# Altium PCB PCB.PcbDoc (part 4 of 10)
Units mil, origin at the board's own origin, x right, y up, seen from the top; angles counter-clockwise.
Board outline 4370.08 x 4921.26 mil, 6 copper layers (Component Side, Ground Plane I, Signal Layer 1, Power Plane, Ground Plane II, Solder Side), stack 57.638 mil thick; 274 components, 415 nets, 1726 pads, 902 vias.
Unrouted connection lines stored in the file: 2.
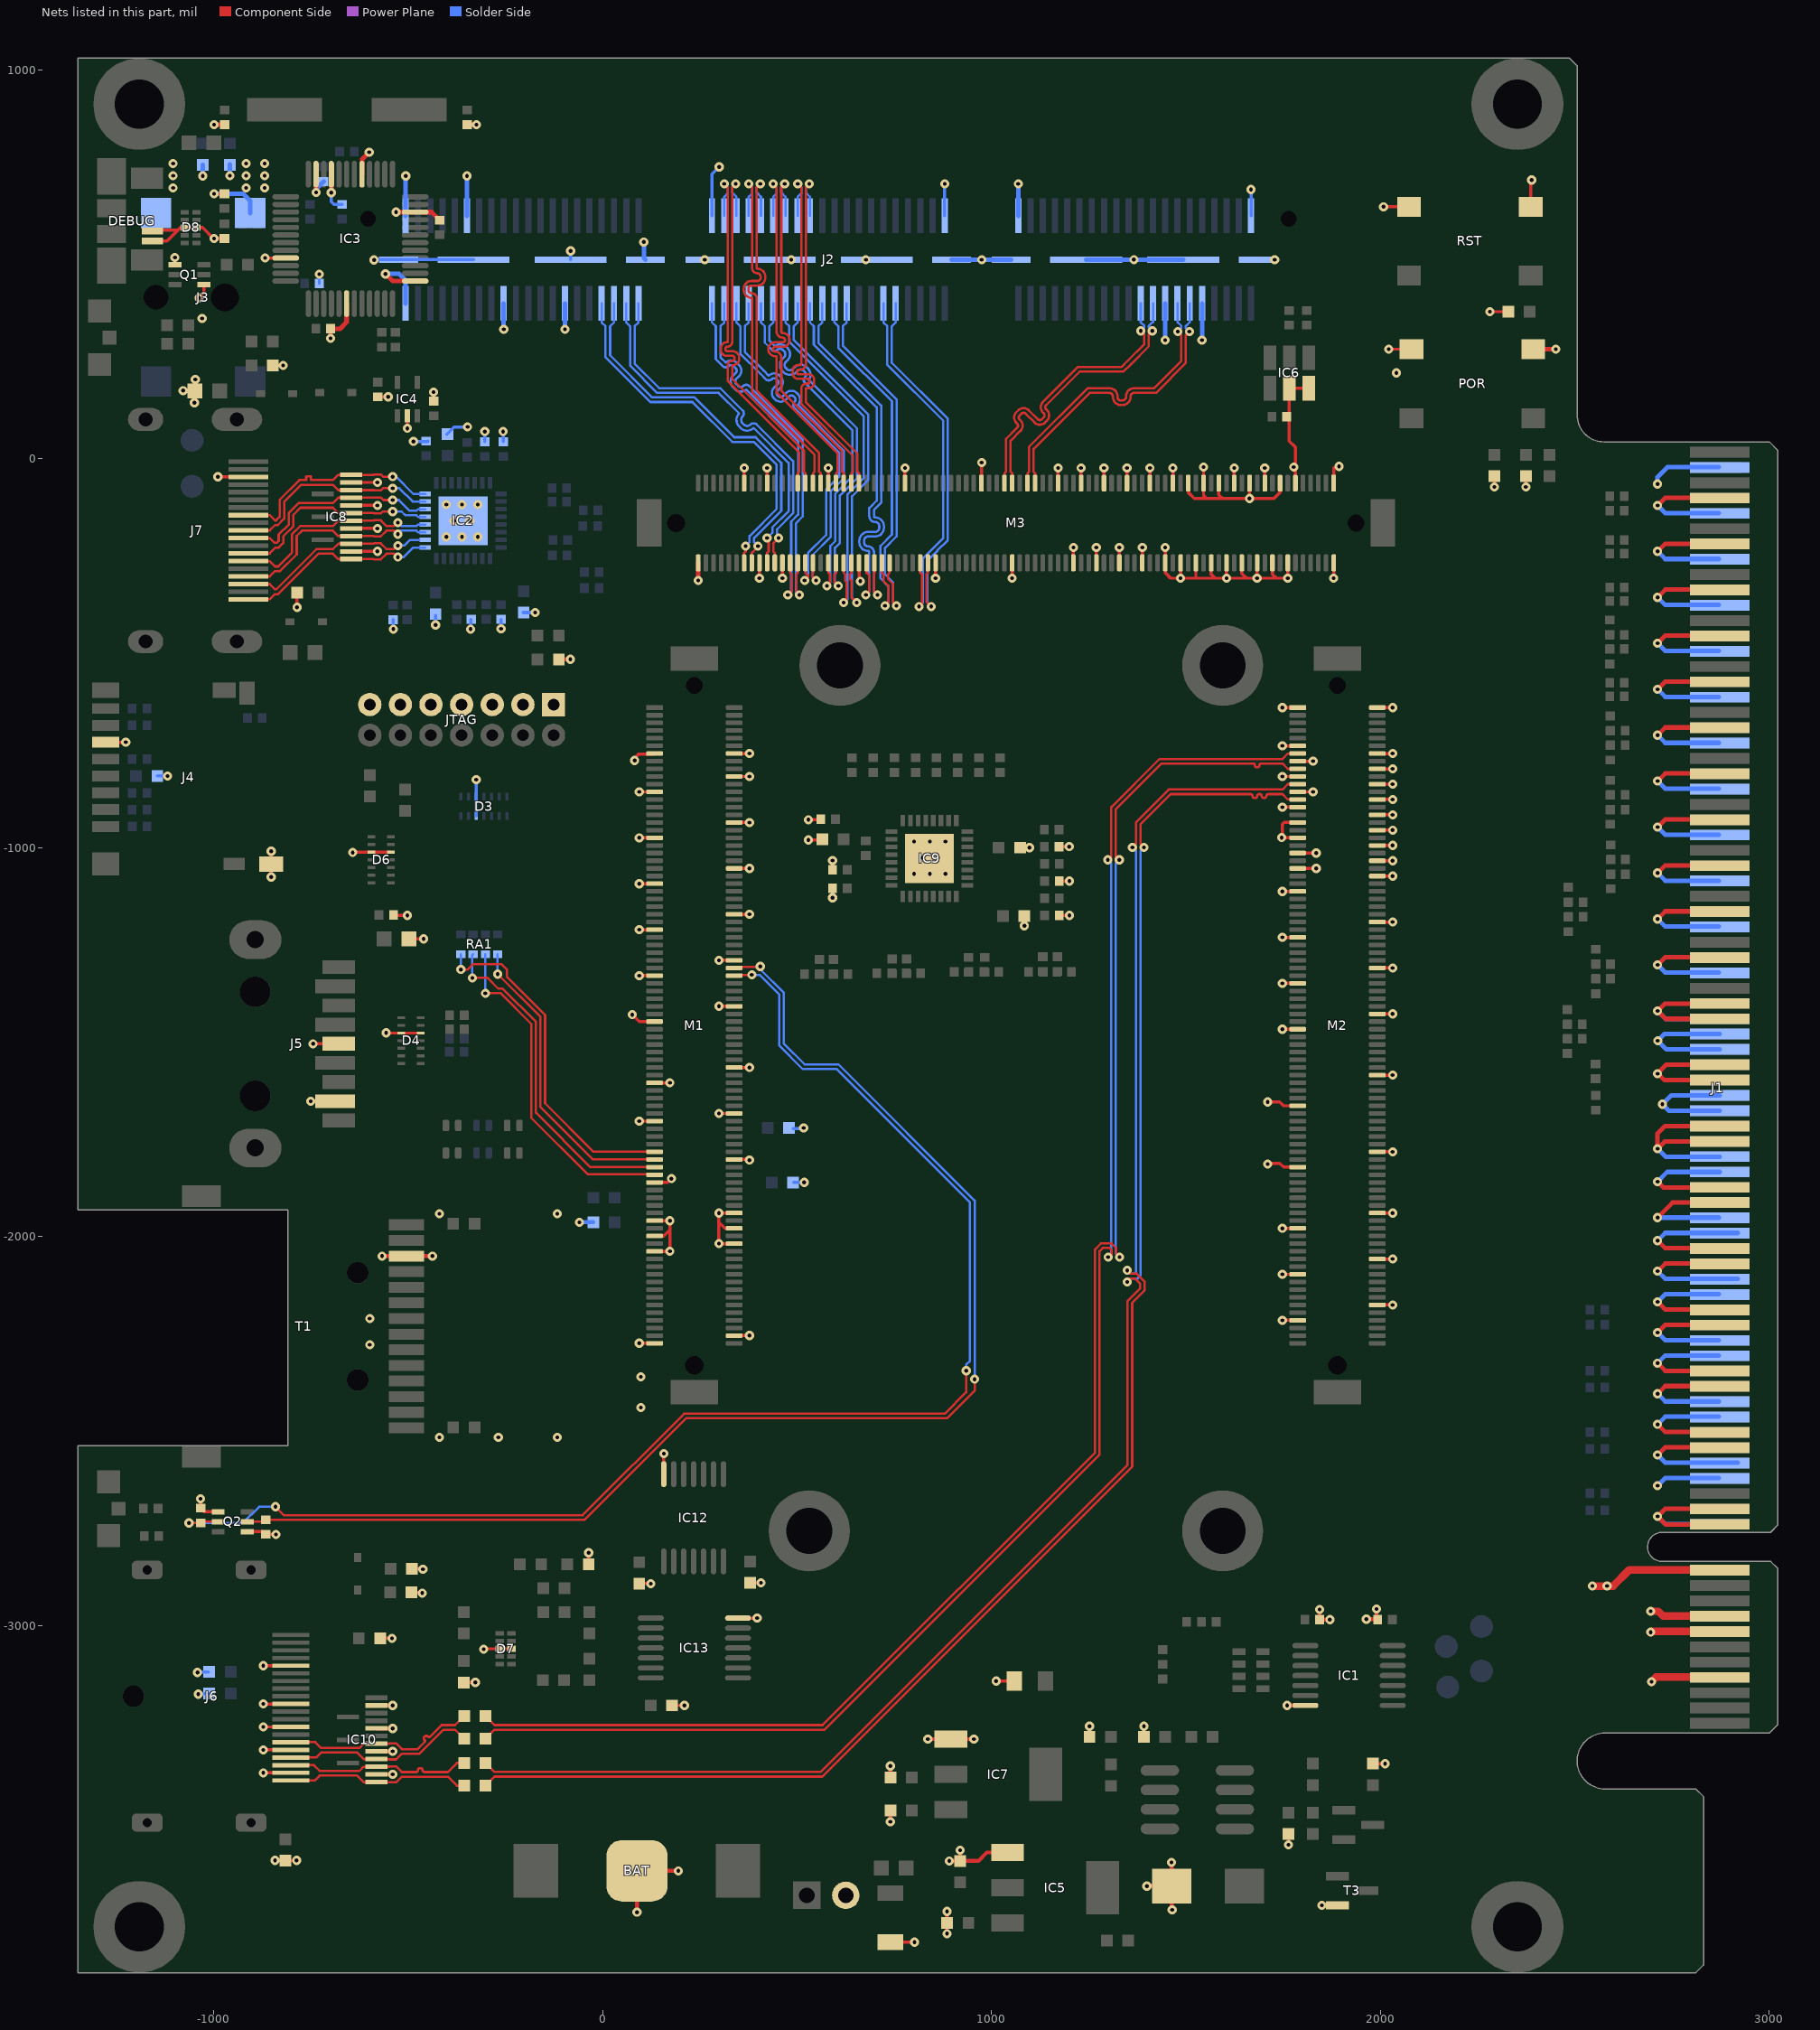
[diagram p8: the nets of this part, all layers, seen from the top]

## Via types
v1: diameter 23.62, hole 9.84, Component Side to Solder Side, 902 vias

## Nets (pads, with @x,y where several pads share a name; then routed paths per layer and width w, separated by ;. In a path a pad name is that pad's centre, name@x,y a point inside that pad or via, vN(x,y) a via of type N, cw(c..) or ccw(c..) an arc to the next point about the centre after c; other vN are vias at no path point) (continued)
GND: BAT.- C9.1 C10.1 C11.1 C14.1 C15.1 C18.1 C21.1 C22.1 C23.1 C24.1 C25.1 C26.1 C27.1 C28.1 C29.1 C30.2 C35.1 C41.2 C46.1 C49.1 C50.1 C52.1 C53.1 C54.1 C55.1 C56.1 C57.1 C74.1 C75.1 C76.2 C77.1 C78.1 C82.1 C83.1 C92.1 C97.1 D3.5 D3.10 D4.5 D4.10 D6.5 D6.10 D7.3 D7.8 D8.3 D8.8 DEBUG.4 DEBUG.5 FAN1.2 FAN.2 IC1.7 IC2.33 IC3.9 IC3.18 IC3.25 IC3.34 IC3.41 IC3.45 IC3.47 IC4.2 IC5.1 IC6.2 IC6.3 IC7.1 IC8.2 IC8.5 IC8.8 IC8.11 IC9.33 IC10.2 IC10.5 IC10.8 IC10.11 IC12.7 IC13.7 J1.A12 J1.A15 J1.A16 J1.A19 J1.A20 J1.A23 J1.A24 J1.A27 J1.A28 J1.A31 J1.A32 J1.A35 J1.A36 J1.A39 J1.A40 J1.A43 J1.A44 J1.A45 J1.A48 J1.A51 J1.A54 J1.A57 J1.A60 J1.A63 J1.A66 J1.A69 J1.A72 J1.A75 J1.A78 J1.A81 J1.B4 J1.B7 J1.B8 J1.B11 J1.B12 J1.B13 J1.B17 J1.B18 J1.B21 J1.B22 J1.B25 J1.B26 J1.B29 J1.B30 J1.B33 J1.B34 J1.B37 J1.B38 J1.B41 J1.B42 J1.B45 J1.B46 J1.B49 J1.B52 J1.B55 J1.B58 J1.B61 J1.B64 J1.B67 J1.B70 J1.B73 J1.B76 J1.B79 J2.2 J2.9 J2.15 J2.40 J2.42 J2.80 J2.93 J2.103 J2.110 J2.119 J2.120 J2.M1 J2.M2 J2.M3 J3.2 J3.3 J4.6 J4.10 J5.4 J5.7 J6.2 J6.5 J6.8 J6.11 J6.16 J7.17 JTAG.1 JTAG.3 JTAG.5 JTAG.7 JTAG.9 JTAG.11 JTAG.13 L6.2 L7.1 LED3.K LED5.K M1.13 M1.14 M1.20 M1.23 M1.32 M1.35 M1.44 M1.47 M1.56 M1.59 M1.68 M1.71 M1.80 M1.83 M1.96 M1.99 M1.108 M1.109 M1.120 M1.125 M1.134 M1.135 M1.138 M1.139 M1.142 M1.143 M1.166 M1.167 M2.1 M2.2 M2.11 M2.14 M2.15 M2.18 M2.19 M2.22 M2.23 M2.26 M2.27 M2.30 M2.31 M2.34 M2.35 M2.38 M2.39 M2.42 M2.43 M2.46 M2.49 M2.58 M2.61 M2.70 M2.73 M2.82 M2.85 M2.98 M2.105 M2.118 M2.121 M2.134 M2.137 M2.146 M2.149 M2.158 M2.161 M3.1 M3.2 M3.11 M3.14 M3.15 M3.18 M3.19 M3.22 M3.23 M3.26 M3.27 M3.30 M3.31 M3.34 M3.35 M3.38 M3.39 M3.42 M3.43 M3.46 M3.49 M3.52 M3.55 M3.58 M3.61 M3.64 M3.67 M3.70 M3.73 M3.86 M3.93 M3.106 M3.113 M3.126 M3.133 M3.146 M3.149 M3.152 M3.155 M3.168 POR.1 POR.2 PWR_USB.K Q1.1 Q1.4 Q2.1 Q2.4 R1.1 R4.2 R5.2 R12.1 R13.1 R18.2 R21.2 R22.2 R23.2 R25.1 R29.2 R30.1 R31.1 R32.1 R34.1 R39.1 R40.1 R55.2 R58.2 R62.1 R63.2 R64.2 R65.2 R66.1 R98.1 R99.1 R100.1 R104.1 R105.1 R106.1 RST.1 RST.2 T1.12 T3.2 | length 23959.3
  Component Side w5.91: C46.1@181.04,-3204.72 v1(210.63,-3204.72)
  Component Side w7.87: v1(-556.4,-1476) -556.09,-1476.31 D4.10@-517.01,-1476.31 D4.5@-467.8,-1476.31 ; C35.1@-537.1,-1173 -536.1,-1174 v1(-502,-1174) ; v1(1012,-3142) C52.1@1059,-3142
  Component Side w8: J4.6@-1277.41,-728.81 v1(-1225.73,-728.81) ; DEBUG.5@-1157.28,559.82 -1119.39,559.82 -1092.21,587 ; DEBUG.4@-1157.28,585.41 -1155.68,587 -1092.21,587 ; Q1.4@-1099.4,498.59 v1(-1099.4,517.31) ; v1(-1078.09,175.09) -1077,174 L7.1@-1048.09,174 ; v1(-1049.17,144) -1048.09,145.09 L7.1@-1048.09,174 ; v1(-1047,204) -1048.09,202.91 L7.1@-1048.09,174 ; v1(-1037.37,413.23) -1024.6,426 Q1.1@-1024.6,447.41 ; v1(-1033.46,-2673.23) R13.1@-1033.46,-2697.64 -1024.41,-2706.69 Q2.4@-988.19,-2706.69 ; v1(-998.9,680.9) C78.1@-972,680.9 ; v1(-989,-46.3) -910.45,-46.3 J7.17@-910.08,-46.67 ; C77.1@-972,566.1 v1(-998.9,566.1) -1000.08,566.1 -1027.98,594 D8.3@-1043.84,594 D8.8@-1074.16,594 -1085.21,594 -1092.21,587 ; Q2.1@-913.39,-2757.87 -873.23,-2757.87 R12.1@-866.14,-2764.96 v1(-839.76,-2764.96) ; v1(-872.05,-3200.79) J6.11@-803.15,-3200.79 ; v1@-870.08,-3377.95 J6.2@-801.18,-3377.95 ; v1@-870.08,-3318.9 J6.5@-801.18,-3318.9 ; v1@-870.08,-3259.84 J6.8@-801.18,-3259.84 ; v1@-870.08,-3102.36 J6.16@-801.18,-3102.36 ; v1(-867.79,515.79) IC3.9@-814.34,515.79 ; v1(-851.66,-1075.24) J4.10@-851.66,-1042.2 v1(-851.66,-1009.15) ; PWR_USB.K@-847.5,240 v1(-821,240) ; v1(-841.65,-3603.05) -841.12,-3602.52 R29.2@-813.23,-3602.52 ; R29.2@-814.96,-3603.58 -787.07,-3603.58 v1(-786.54,-3603.05) ; v1(-785.37,-382) C92.1@-785.37,-344.49 ; v1(-750,-1651.57) J5.4@-687.11,-1651.57 ; v1(-744.09,-1503.94) J5.7@-679.23,-1503.94 ; IC8.2@-646.65,-238.19 v1(-578.74,-238.19) ; IC8.5@-646.65,-179.13 v1(-578.74,-179.13) ; IC8.8@-646.65,-120.08 v1(-578.74,-120.08) ; IC8.11@-646.65,-61.02 v1(-578.74,-61.02) ; v1(-642.53,-1012.3) -641.55,-1011.31 D6.10@-593.61,-1011.31 D6.5@-544.39,-1011.31 ; C54.1@-577.38,159.1 -551.1,159.1 v1(-551,159) ; R25.1@-571.56,-3032.19 v1(-541,-3032.19) ; v1(-502,78) -501.79,78.21 IC4.2@-501.79,110 ; L6.2@-497.44,-1234.25 v1@-462.6,-1234.25 ; R23.2@-491.48,-2914.73 -464.41,-2914.73 v1(-463.31,-2915.83) ; C41.2@-489.93,-2853.24 -462.86,-2853.24 v1(-461.76,-2854.34) ; v1(-434.35,171) -434.32,170.96 C50.1@-434.32,147.83 ; R30.1@-356.3,-3145.61 v1(-326.83,-3145.61) ; v1(-305.75,-3059.98) -304.77,-3059 D7.8@-264.16,-3059 D7.3@-233.84,-3059 ; R34.1@-35.49,-2841.61 v1(-35.49,-2812.14) ; v1(76.77,-1429.13) 94.49,-1446.85 M1.83@133.86,-1446.85 ; v1(82.68,-775.59) 82.68,-769.68 92.46,-759.91 131.83,-759.91 M1.13@133.86,-757.87 ; C28.1@94.49,-2891.67 v1(124.07,-2891.67) ; v1(94.49,-2273.62) M1.167@133.86,-2273.62 ; v1(94.49,-1702.76) M1.109@133.86,-1702.76 ; v1(94.49,-1328.74) M1.71@133.86,-1328.74 ; v1(94.49,-1210.63) M1.59@133.86,-1210.63 ; v1(94.49,-1092.52) M1.47@133.86,-1092.52 ; v1(94.49,-974.41) M1.35@133.86,-974.41 ; v1(94.49,-856.3) M1.23@133.86,-856.3 ; M1.143@133.86,-2037.4 v1(173.23,-2037.4) 173.23,-1982.28 ; M1.139@133.86,-1998.03 157.48,-1998.03 173.23,-1982.28 ; M1.135@133.86,-1958.66 v1(173.23,-1958.66) 173.23,-1982.28 ; M1.125@133.86,-1860.24 167.5,-1860.24 v1(177.17,-1850.57) ; M1.99@133.86,-1604.33 v1(173.23,-1604.33) ; IC12.7@157.48,-2610.24 v1(157.48,-2557.09) ; v1(299.21,-1683.07) M1.108@338.58,-1683.07 ; v1(299.21,-1407.48) M1.80@338.58,-1407.48 ; v1(299.21,-1289.37) M1.68@338.58,-1289.37 ; M1.166@338.58,-2253.94 v1(377.95,-2253.94) ; M1.142@338.58,-2017.72 v1(299.21,-2017.72) 299.21,-1962.6 ; M1.138@338.58,-1978.35 314.96,-1978.35 299.21,-1962.6 ; M1.134@338.58,-1938.98 v1(299.21,-1938.98) 299.21,-1962.6 ; M1.120@338.58,-1801.18 v1@377.95,-1801.18 ; M1.96@338.58,-1564.96 v1(377.95,-1564.96) ; M1.56@338.58,-1171.26 v1(377.95,-1171.26) ; M1.44@338.58,-1053.15 v1(377.95,-1053.15) ; M1.32@338.58,-935.04 v1(377.95,-935.04) ; M1.20@338.58,-816.93 v1(377.95,-816.93) ; M1.14@338.58,-757.87 v1(377.95,-757.87) ; IC13.7@348.43,-2980.32 v1(397.64,-2980.32) ; M3.155@364.17,-62.99 v1(364.17,-23.62) ; C29.1@379.92,-2889.7 v1(407.54,-2889.7) ; v1(403.54,-307.09) M3.152@403.54,-267.72 ; M3.149@423.23,-62.99 v1(423.23,-23.62) ; v1(462.6,-307.09) M3.146@462.6,-267.72 ; v1(529.59,-980) 563.48,-980 C82.1@565.13,-978.35 ; v1@530.42,-927.17 v1(529.59,-928) 560.27,-928 R65.2@561.1,-927.17 ; M3.133@580.71,-62.99 v1(580.71,-23.62) ; v1(591.39,-1128.8) R63.2@591.39,-1104.33 ; R64.2@591.39,-1057.09 v1(591.39,-1032.62) ; v1@659.45,-311.02 M3.126@659.45,-267.72 ; C23.1@740.22,-3812.99 v1(802.1,-3812.99) ; M3.113@777.56,-62.99 v1(777.56,-23.62) ; v1(856.3,-307.09) M3.106@856.3,-267.72 ; M3.93@974.41,-62.99 974.41,-10.59 v1(974.83,-10.17) ; v1(1053.15,-307.09) M3.86@1053.15,-267.72 ; R66.1@1073.5,-999.77 v1(1097.6,-999.77) ; v1(1084.65,-1200.78) C83.1@1084.65,-1171.26 ; M3.73@1171.26,-62.99 v1(1171.26,-23.62) ; R105.1@1173.37,-997.2 v1(1199.76,-997.2) ; R106.1@1173.94,-1174 v1(1200.33,-1174) ; R104.1@1173.94,-1085.6 v1(1200.33,-1085.6) ; M3.70@1210.63,-267.72 v1(1210.63,-228.35) ; M3.67@1230.32,-62.99 v1(1230.32,-23.62) ; LED3.K@1251.97,-3285.43 v1(1251.97,-3257.93) ; M3.64@1269.69,-267.72 v1(1269.69,-228.35) ; M3.61@1289.37,-62.99 v1(1289.37,-23.62) ; M3.58@1328.74,-267.72 v1(1328.74,-228.35) ; M3.55@1348.43,-62.99 v1(1348.43,-23.62) ; M3.52@1387.8,-267.72 v1(1387.8,-228.35) ; LED5.K@1391.79,-3285.43 v1(1391.79,-3257.93) ; M3.49@1407.48,-62.99 v1(1407.48,-23.62) ; v1(1446.85,-228.35) M3.46@1446.85,-267.72 1446.85,-293.31 1460.63,-307.09 v1(1486.22,-307.09) ; M3.43@1466.54,-62.99 v1(1466.54,-23.62) ; M3.42@1486.22,-267.72 v1(1486.22,-307.09) ; M3.39@1505.91,-62.99 1505.91,-86.61 1521.65,-102.36 1553.15,-102.36 ; M3.38@1525.59,-267.72 1525.59,-307.09 ; M3.35@1545.28,-62.99 1545.28,-94.49 1553.15,-102.36 ; M3.35@1545.28,-61.02 v1(1545.28,-21.65) ; M3.34@1564.96,-267.72 1564.96,-297.24 1574.8,-307.09 ; M3.31@1584.65,-62.99 1584.65,-92.52 1594.49,-102.36 ; M3.30@1604.33,-267.72 v1(1604.33,-307.09) ; M3.27@1624.02,-62.99 v1(1624.02,-23.62) ; M3.26@1643.7,-267.72 1643.7,-295.28 1655.51,-307.09 ; M3.23@1663.39,-62.99 v1(1663.39,-102.36) ; M3.22@1683.07,-267.72 v1(1683.07,-307.09) ; M3.19@1702.76,-62.99 v1(1702.76,-23.62) ; v1(1710.15,-1653.54) 1741.34,-1653.54 1751.18,-1663.39 M2.105@1787.4,-1663.39 1757.87,-1663.39 ; v1@1710.63,-1812.99 1712.6,-1811.02 1741.34,-1811.02 1751.18,-1820.87 M2.121@1787.4,-1820.87 ; M3.18@1722.44,-267.72 1722.44,-297.24 1732.28,-307.09 ; M3.15@1742.13,-62.99 1742.13,-86.61 1726.38,-102.36 v1(1663.39,-102.36) ; v1(1748.03,-2214.57) M2.161@1787.4,-2214.57 ; v1(1748.03,-2096.46) M2.149@1787.4,-2096.46 ; v1(1748.03,-1978.35) M2.137@1787.4,-1978.35 ; v1(1748.03,-1466.54) M2.85@1787.4,-1466.54 ; v1(1748.03,-1348.43) M2.73@1787.4,-1348.43 ; v1(1748.03,-1230.31) M2.61@1787.4,-1230.31 ; v1(1748.03,-1112.2) M2.49@1787.4,-1112.2 ; v1(1748.03,-895.67) M2.27@1787.4,-895.67 ; v1(1748.03,-816.93) M2.19@1787.4,-816.93 ; v1(1748.03,-738.19) M2.11@1787.4,-738.19 ; v1(1748.03,-639.76) M2.1@1787.4,-639.76 ; M3.14@1761.81,-267.72 v1(1761.81,-307.09) 1732.28,-307.09 ; v1(1763.78,-3562.99) R39.1@1763.78,-3535.37 ; M3.11@1781.5,-62.99 1781.5,29.53 1765.75,45.28 IC6.2@1765.75,181.1 IC6.3@1815.75,181.1 ; M2.43@1787.4,-1053.15 1835,-1053.15 v1(1835,-1053) ; M2.39@1787.4,-1013.78 v1(1835,-1013.78) ; M2.35@1787.4,-974.41 1748.03,-974.41 1748.03,-940.01 1753,-935.04 M2.31@1787.4,-935.04 ; M2.23@1787.4,-856.3 v1(1826.77,-856.3) ; M2.15@1787.4,-777.56 v1(1826.77,-777.56) ; v1(1849.61,-3718.5) T3.2@1889.76,-3718.5 ; v1(1879.92,-307.09) M3.2@1879.92,-267.72 ; M3.1@1879.92,-62.99 1879.92,-23.62 ; R40.1@1980.32,-3354.39 v1(2011.87,-3354.39) ; M2.158@1992.13,-2175.2 v1(2031.5,-2175.2) ; M2.146@1992.13,-2057.09 v1(2031.5,-2057.09) ; M2.134@1992.13,-1938.98 v1(2031.5,-1938.98) ; M2.118@1992.13,-1781.5 v1(2031.5,-1781.5) ; M2.98@1992.13,-1584.65 v1(2031.5,-1584.65) ; M2.82@1992.13,-1427.17 v1(2031.5,-1427.17) ; M2.70@1992.13,-1309.06 v1(2031.5,-1309.06) ; M2.58@1992.13,-1190.94 v1(2031.5,-1190.94) ; M2.46@1992.13,-1072.83 v1(2031.5,-1072.83) ; M2.42@1992.13,-1033.46 v1(2031.5,-1033.46) ; M2.38@1992.13,-994.09 v1(2031.5,-994.09) ; M2.34@1992.13,-954.72 v1(2031.5,-954.72) ; M2.30@1992.13,-915.35 v1(2031.5,-915.35) ; M2.26@1992.13,-875.98 v1(2031.5,-875.98) ; M2.22@1992.13,-836.61 v1(2031.5,-836.61) ; M2.18@1992.13,-797.24 v1(2031.5,-797.24) ; M2.14@1992.13,-757.87 v1(2031.5,-757.87) ; M2.2@1992.13,-639.76 v1(2031.5,-639.76) ; v1(2007.87,647.64) RST.1@2073.82,647.64 ; v1(2021.65,281.5) POR.1@2077.76,281.5 ; v1(2281.5,377.95) C22.1@2328.8,377.95 ; v1(2293.31,-72.83) C21.1@2293.31,-45.22 ; v1(2374.02,-72.83) R1.1@2374.02,-45.22 ; RST.2@2386.81,647.64 2386.81,714.57 v1(2388.78,716.54) ; v1(1486.22,-307.09) 1525.59,-307.09 ; 1525.59,-307.09 1574.8,-307.09 ; 1553.15,-102.36 1594.49,-102.36 ; 1574.8,-307.09 v1(1604.33,-307.09) ; 1594.49,-102.36 v1(1663.39,-102.36) ; v1(1604.33,-307.09) 1655.51,-307.09 ; 1655.51,-307.09 v1(1683.07,-307.09) ; v1(1683.07,-307.09) 1732.28,-307.09
  Component Side w10: IC10.5@-583.66,-3322.83 v1(-539.37,-3322.83) ; IC10.2@-581.69,-3381.89 v1@-537.4,-3381.89 ; IC10.8@-581.69,-3263.78 v1@-537.4,-3263.78 ; IC10.11@-581.69,-3204.72 v1@-537.4,-3204.72 ; v1(-566.93,-2049.61) T1.12@-504.33,-2049.61 v1(-437.4,-2049.61) ; R21.2@-112.26,-515.75 v1(-82.68,-515.75) ; v1(88.58,-3736.22) BAT.-@88.58,-3629.92 v1(194.88,-3629.92) ; FAN.2@625.59,-3692.91 FAN.2@639.76,-3707.09 ; v1(740.1,-3503.88) C26.1@740.1,-3474.41 ; C27.1@740.22,-3389.76 v1(740.22,-3360.3) ; v1(836.61,-3291.34) IC7.1@895.67,-3291.34 v1(954.72,-3291.34) ; v1(885.89,-3791.28) C24.1@885.89,-3763.78 v1(885.89,-3734.25) ; v1(891.73,-3604.33) C25.1@919.35,-3604.33 ; v1(919.29,-3576.77) C25.1@919.29,-3604.39 966.48,-3604.39 988.19,-3582.68 IC5.1@1041.34,-3582.68 ; v1(1399.61,-3669.29) 1400.59,-3668.31 C30.2@1460.63,-3668.31 ; v1(1462.6,-3608.27) 1463.58,-3609.25 C30.2@1463.58,-3669.29 1463.58,-3729.33 v1(1464.57,-3730.32) ; v1(1759.84,-3204.72) IC1.7@1807.09,-3204.72 ; v1(1843.7,-2957.87) C9.1@1843.7,-2984.25 v1(1870.08,-2984.25) ; v1(1963.78,-2983.07) 1990.16,-2983.07 v1(1990.16,-2956.69)
  Component Side w11.81: v1(-998.55,858.55) C53.1@-971.16,858.55 ; v1(-736.58,684.37) IC3.47@-736.58,731.34 ; v1(-699.1,309.1) C55.1@-699.1,334 -675,334 -657.84,351.16 IC3.18@-657.84,398.66 ; v1(-697.21,683.79) IC3.45@-697.21,731.34 ; IC3.41@-618.47,731.34 -617.49,732.32 -617.49,770.51 v1(-600,788) ; v1(-558,475) -539.73,456.73 IC3.25@-481.66,456.73 ; v1(-530.66,633.9) IC3.34@-481.66,633.9 -439.47,633.9 C56.1@-419,613.43 ; C97.1@-348.16,858.55 v1(-324.29,858.55) ; v1(246.06,-312.99) M3.168@246.06,-267.72 ; POR.2@2392.72,281.5 v1(2450.79,281.5) ; v1@2709.68,-1858.27 v1@2711.14,-1859.73 ; v1(2712.6,-2561.02) 2732.28,-2541.34 J1.B17@2860.24,-2541.34 ; v1(2712.6,-2482.28) 2732.28,-2501.97 J1.B18@2860.24,-2501.97 ; v1(2712.6,-2403.54) 2732.28,-2383.86 J1.B21@2860.24,-2383.86 ; v1(2712.6,-2324.8) 2732.28,-2344.49 J1.B22@2860.24,-2344.49 ; v1(2712.6,-2246.06) 2732.28,-2226.38 J1.B25@2860.24,-2226.38 ; v1(2712.6,-2167.32) 2732.28,-2187.01 J1.B26@2860.24,-2187.01 ; v1(2712.6,-2088.58) 2732.28,-2068.9 J1.B29@2918.31,-2068.9 ; v1(2712.6,-2009.84) 2732.28,-2029.53 J1.B30@2870.08,-2029.53 ; v1(2712.6,-1950.79) 2751.18,-1912.2 J1.B33@2872.05,-1912.2 ; v1(2712.6,-1858.27) 2727.42,-1873.09 J1.B34@2872.05,-1873.09 ; v1(2712.6,-1301.18) 2732.28,-1281.5 J1.B49@2860.24,-1281.5 ; v1(2712.6,-1183.07) 2732.28,-1163.39 J1.B52@2860.24,-1163.39 ; v1(2712.6,-1064.96) 2732.28,-1045.27 J1.B55@2860.24,-1045.27 ; v1(2712.6,-946.85) 2732.28,-927.16 J1.B58@2860.24,-927.16 ; v1(2712.6,-828.74) 2732.28,-809.05 J1.B61@2860.24,-809.05 ; v1(2712.6,-710.63) 2732.28,-690.94 J1.B64@2860.24,-690.94 ; v1(2712.6,-592.52) 2732.28,-572.83 J1.B67@2860.24,-572.83 ; v1(2712.6,-474.41) 2732.28,-454.72 J1.B70@2860.24,-454.72 ; v1(2712.6,-356.3) 2732.28,-336.61 J1.B73@2860.24,-336.61 ; v1(2712.6,-238.19) 2732.28,-218.5 J1.B76@2860.24,-218.5 ; v1(2712.6,-120.08) 2732.28,-100.39 J1.B79@2860.24,-100.39 ; J1.B13@2860.24,-2698.82 2732.28,-2698.82 v1(2712.6,-2718.5) 2733.32,-2739.23 J1.B12@2872.05,-2739.23 ; J1.B46@2871.01,-1399.61 2872.05,-1400.65 2731.24,-1400.65 v1(2712.6,-1419.29) 2733.32,-1440.02 2733.32,-1439.76 J1.B45@2872.05,-1439.76 ; J1.B37@2872.05,-1754.98 2731.24,-1754.98 v1(2712.6,-1773.62) 2712.6,-1734.4 2731.65,-1715.35 J1.B38@2872.05,-1715.35 ; J1.B41@2872.05,-1597.5 2730.4,-1597.5 2712.6,-1579.7 2734.17,-1558.13 J1.B42@2872.05,-1558.13
  Component Side w19.68: v1(2545.28,-2897.64) 2598.46,-2897.64 2639.8,-2856.3 J1.B11@2870.08,-2856.3 ; v1@2694.88,-3017.71 v1@2696.19,-3016.4 ; v1(2694.88,-3016.4) v1@2696.19,-3016.4 ; v1(2694.88,-2962.6) 2714.55,-2962.6 2726.36,-2974.41 J1.B8@2870.08,-2974.41 ; v1@2697.84,-3144.68 2696.85,-3145.67 v1(2696.84,-3143.69) 2708.65,-3131.89 J1.B4@2870.08,-3131.89 ; J1.B7@2870.08,-3013.78 2698.81,-3013.78 v1@2696.19,-3016.4
  Solder Side w7.87: v1(1667,692) 1667.38,691.62 J2.2@1667.38,624.61
  Solder Side w8: C15.1@-1144.5,-815.43 v1(-1118.43,-815.43) ; v1(-1041.34,-3120.08) -1040.24,-3118.98 R32.1@-1013.17,-3118.98 ; v1(-1039.37,-3175.5) -1038.27,-3174.39 R31.1@-1011.2,-3174.39 ; C57.1@-728.1,450 v1(-728.1,474) ; v1(-697.21,683.79) -697.21,660.21 -690.78,653.78 C75.1@-670,653.78 ; v1(-642.53,-1012.3) v1@-640.23,-1010 ; v1(-587.3,511) -586.73,511.58 J2.M3@-524.43,511.58 J2.M3@-331.87,511.57 ; v1(-538,-438) R99.1@-538,-413.9 ; v1(-486.22,44.31) R22.2@-450.35,44.31 ; R22.2@-449.17,45.49 R22.2@-450.35,44.31 ; R22.2@-448.38,44.31 R22.2@-450.35,44.31 ; v1(-429.13,-427.17) R62.1@-429.13,-403.27 ; C11.1@-399.95,63.09 -381.35,81.69 v1(-347,81.69) ; v1(-339,-438) R98.1@-339,-413.9 ; D3.5@-324.8,-918.31 D3.10@-324.8,-869.09 v1(-324.8,-824.8) ; R5.2@-302.74,43.49 v1(-302.74,69.87) ; v1(-261,-436.9) R100.1@-261,-412.8 ; R4.2@-255.5,43.49 v1(-255.5,69.87) ; v1(-82.16,534.21) -82.03,534.21 J2.M3@-82.03,511.57 ; J2.80@281.44,624.61 281.44,731.44 v1(300,750) ; R58.2@490.1,-1722.44 v1@517.6,-1722.44 ; R55.2@491,-1860.24 v1(518.5,-1860.24) ; J2.42@879.86,624.61 v1(879.86,706.69)
  Solder Side w10: C14.1@-202.76,-395.61 v1(-173.29,-395.61) ; v1(-59.06,-1962.6) R18.2@-23.56,-1962.6
  Solder Side w11.81: v1(-1028,727) C76.2@-1028,755.5 ; v1(-998.9,680.9) -923.8,680.9 -905.87,662.98 J3.3@-905.87,631.54 ; v1(-958,727.5) C49.1@-958,756 ; v1(-736.58,684.37) -736.58,692.76 C74.1@-716.9,712.44 ; v1(-558,475) -523,475 -505.96,457.96 J2.119@-505.96,399.02 ; J2.120@-505.96,624.61 v1(-505.96,726.96) ; J2.110@-348.48,624.61 v1@-348.48,726.91 ; v1(-254,332.68) J2.103@-254,399.02 ; v1(-96.52,332.68) J2.93@-96.52,399.02 ; v1(106.3,557.09) 106.3,515.76 J2.M3@110.5,511.56 ; J2.M2@897.9,511.56 v1(974.83,511.55) J2.M1@1050.83,511.55 ; v1(1068.9,706.69) 1068.9,624.66 J2.40@1068.96,624.61 ; J2.M1@1243.34,511.57 1243.59,511.81 v1(1366.14,511.81) 1492.89,511.81 J2.M1@1493.16,511.55 ; v1(1446.85,305) 1446.91,305.06 J2.15@1446.91,399.02 ; v1(1541.4,305) J2.9@1541.4,399.02 ; v1(2712.6,-2718.5) 2733.07,-2738.98 J1.A12@2872.05,-2738.98 ; v1(2712.6,-2639.76) 2732.28,-2620.08 J1.A15@2870.08,-2620.08 ; v1(2712.6,-2561.02) 2732.28,-2580.71 J1.A16@2918.31,-2580.71 ; v1(2712.6,-2482.28) 2732.28,-2462.6 J1.A19@2870.08,-2462.6 ; v1(2712.6,-2403.54) 2732.28,-2423.23 J1.A20@2870.08,-2423.23 ; v1(2712.6,-2324.8) 2732.28,-2305.12 J1.A23@2870.08,-2305.12 ; v1(2712.6,-2246.06) 2732.28,-2265.75 J1.A24@2870.08,-2265.75 ; v1(2712.6,-2167.32) 2732.28,-2147.64 J1.A27@2870.08,-2147.64 ; v1(2712.6,-2088.58) 2732.28,-2108.27 J1.A28@2918.31,-2108.27 ; v1(2712.6,-2009.84) 2732.28,-1990.16 J1.A31@2918.31,-1990.16 ; v1(2712.6,-1950.79) J1.A32@2870.08,-1950.79 ; v1(2712.6,-1858.27) 2737.4,-1833.46 J1.A35@2872.05,-1833.46 ; v1(2712.6,-1773.62) 2733.07,-1794.09 J1.A36@2872.05,-1794.09 ; v1(2712.6,-1419.29) 2733.07,-1439.76 J1.A45@2872.05,-1439.76 ; v1(2712.6,-1301.18) 2732.28,-1320.87 J1.A48@2870.08,-1320.87 ; v1(2712.6,-1183.07) 2732.28,-1202.76 J1.A51@2870.08,-1202.76 ; v1(2712.6,-1064.96) 2732.28,-1084.65 J1.A54@2870.08,-1084.65 ; v1(2712.6,-946.85) 2732.28,-966.54 J1.A57@2870.08,-966.54 ; v1(2712.6,-828.74) 2732.28,-848.42 J1.A60@2870.08,-848.42 ; v1(2712.6,-710.63) 2732.28,-730.31 J1.A63@2870.08,-730.31 ; v1(2712.6,-592.52) 2732.28,-612.2 J1.A66@2870.08,-612.2 ; v1(2712.6,-474.41) 2732.28,-494.09 J1.A69@2870.08,-494.09 ; v1(2712.6,-356.3) 2732.28,-375.98 J1.A72@2870.08,-375.98 ; v1(2712.6,-238.19) 2732.28,-257.87 J1.A75@2870.08,-257.87 ; v1(2712.6,-120.08) 2732.28,-139.76 J1.A78@2870.08,-139.76 ; v1(2712.6,-64.96) 2712.6,-47.24 2738.19,-21.65 J1.A81@2870.08,-21.65 ; J1.A39@2872.05,-1675.98 2741.54,-1675.98 v1(2725,-1659.45) 2747.83,-1636.61 J1.A40@2872.05,-1636.61 ; J1.A43@2872.05,-1518.5 2735.5,-1518.5 v1(2713,-1496) 2729.87,-1479.13 J1.A44@2872.05,-1479.13